# Altium PCB top.PcbDoc (part 4 of 5) (continued)
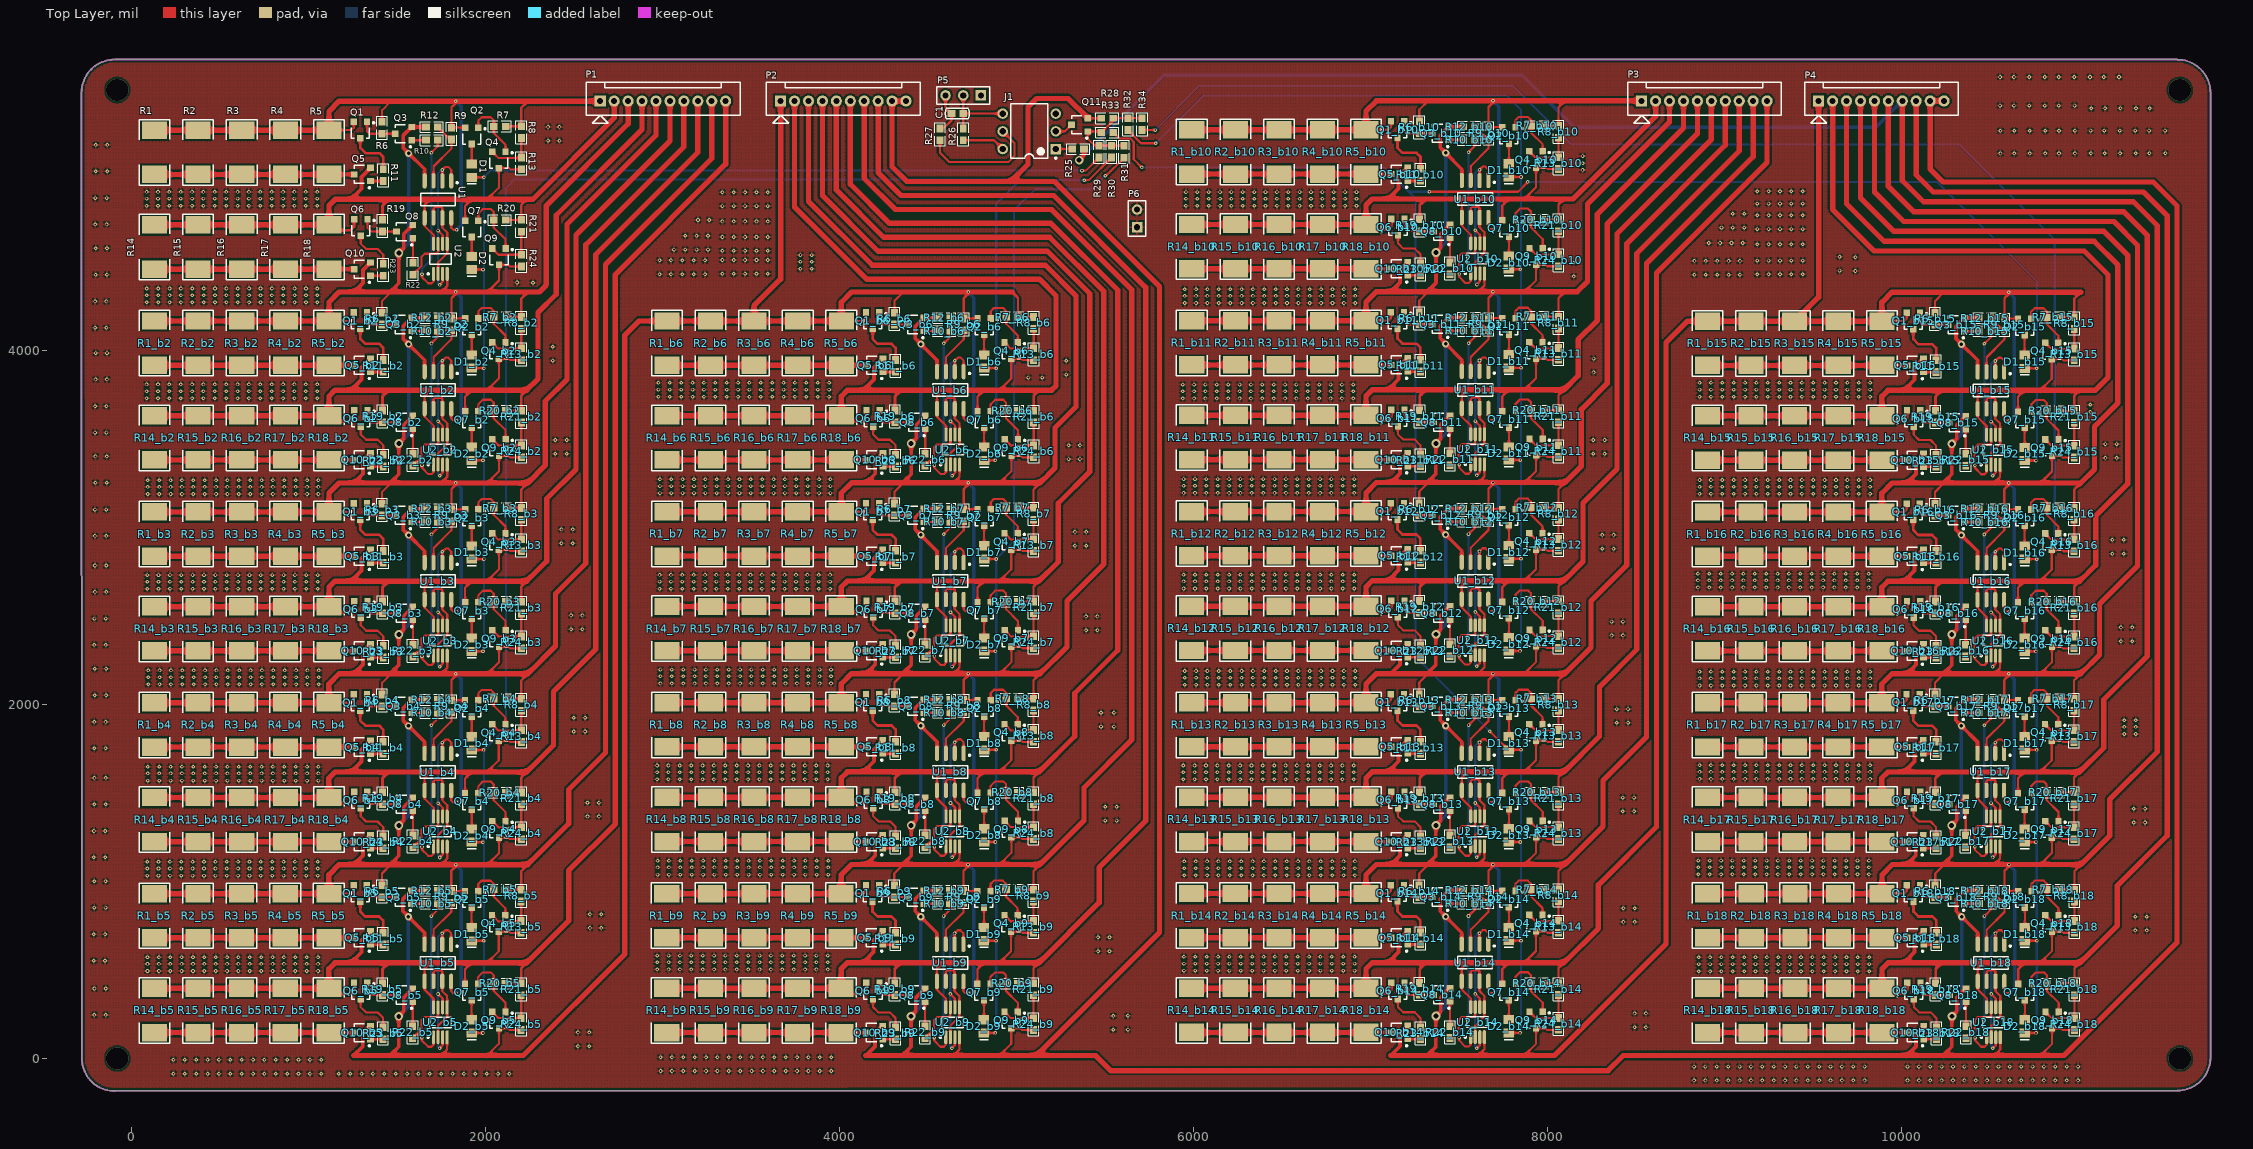
[diagram p0: Top Layer view]
## Nets (pads, with @x,y where several pads share a name; then routed paths per layer and width w, separated by ;. In a path a pad name is that pad's centre, name@x,y a point inside that pad or via, vN(x,y) a via of type N, cw(c..) or ccw(c..) an arc to the next point about the centre after c; other vN are vias at no path point) (continued)
  Top Layer w15: R18_b12.2@6976.6,2555.6 7006.6,2525.6 7099.6,2525.6 7119.2,2545.2 Q6_b12.2@7119.2,2586.86 ; R19_b12.2@7279.6,2585.06 7279.6,2664.6 7314.6,2699.6 7318.6,2699.6
  Top Layer w22: 7100.6,2699.6 7160.6,2759.6 7160.6,2826.74 Q5_b12.2@7211.86,2878
  Top Layer w30: R14_b12.2@5991.6,2555.6 R15_b12.2@6237.85,2555.6 R16_b12.2@6484.1,2555.6 R17_b12.2@6730.35,2555.6 R18_b12.2@6976.6,2555.6 6976.6,2665.6 7010.6,2699.6 7100.6,2699.6 7314.6,2699.6 ; 7318.6,2699.6 7548.6,2699.6 7782.6,2699.6 7870.6,2699.6 8094.6,2699.6 8203,2808 8203,3139.29 8394.71,3331 8394.71,4660.29 8927.7,5193.28 P3.6@8927.7,5411
IN_B12: P3.8 Q4_b13.3 Q5_b13.2 Q6_b13.2 Q7_b13.2 R13_b13.1 R14_b13.2 R15_b13.2 R16_b13.2 R17_b13.2 R18_b13.2 R19_b13.2 R20_b13.2 R21_b13.2 U1_b13.5 U2_b13.8 | length 7956.9
  Top Layer w12: 7548.87,1620.2 7517.87,1589.2 U1_b13.5@7517.87,1515.71 7517.87,1469.2 7568.49,1418.58 U2_b13.8@7568.49,1368.84 ; Q7_b13.2@7746.47,1500.46 7746.47,1583.79 7782.87,1620.2 ; 7870.87,1620.2 7936.87,1686.2 Q4_b13.3@7936.87,1796.94 7995.13,1796.94 8002.34,1789.73 R13_b13.1@8063.87,1789.73 ; R20_b13.2@7975.8,1504.66 R21_b13.2@8063.87,1504.66 8063.87,1589.2 8094.87,1620.2
  Top Layer w15: R18_b13.2@6976.87,1476.2 7006.87,1446.2 7099.87,1446.2 7119.47,1465.79 Q6_b13.2@7119.47,1507.46 ; R19_b13.2@7279.87,1505.66 7279.87,1585.2 7314.87,1620.2 7318.87,1620.2
  Top Layer w22: 7100.87,1620.2 7160.87,1680.2 7160.87,1747.34 Q5_b13.2@7212.13,1798.6
  Top Layer w30: R14_b13.2@5991.87,1476.2 R15_b13.2@6238.12,1476.2 R16_b13.2@6484.37,1476.2 R17_b13.2@6730.62,1476.2 R18_b13.2@6976.87,1476.2 6976.87,1586.2 7010.87,1620.2 7100.87,1620.2 7314.87,1620.2 ; 7318.87,1620.2 7548.87,1620.2 7782.87,1620.2 7870.87,1620.2 8094.87,1620.2 8295.68,1821 8295.68,2100.61 8506.07,2311 8506.07,4548.93 9085.18,5128.05 P3.8@9085.18,5411
IN_B13: P3.10 Q4_b14.3 Q5_b14.2 Q6_b14.2 Q7_b14.2 R13_b14.1 R14_b14.2 R15_b14.2 R16_b14.2 R17_b14.2 R18_b14.2 R19_b14.2 R20_b14.2 R21_b14.2 U1_b14.5 U2_b14.8 | length 9100.7
  Top Layer w12: 7548.6,541.74 7517.6,510.74 U1_b14.5@7517.6,437.25 7517.6,390.74 7568.21,340.13 U2_b14.8@7568.21,290.39 ; Q7_b14.2@7746.2,422 7746.2,505.34 7782.6,541.74 ; 7870.6,541.74 7936.6,607.74 Q4_b14.3@7936.6,718.48 7994.86,718.48 8002.06,711.28 R13_b14.1@8063.6,711.28 ; R20_b14.2@7975.53,426.2 R21_b14.2@8063.6,426.2 8063.6,510.74 8094.6,541.74
  Top Layer w15: R18_b14.2@6976.6,397.74 7006.6,367.74 7099.6,367.74 7119.2,387.34 Q6_b14.2@7119.2,429 ; R19_b14.2@7279.6,427.2 7279.6,506.74 7314.6,541.74 7318.6,541.74
  Top Layer w22: 7100.6,541.74 7160.6,601.74 7160.6,668.88 Q5_b14.2@7211.86,720.14
  Top Layer w30: R14_b14.2@5991.6,397.74 R15_b14.2@6237.85,397.74 R16_b14.2@6484.1,397.74 R17_b14.2@6730.35,397.74 R18_b14.2@6976.6,397.74 6976.6,507.74 7010.6,541.74 7100.6,541.74 7314.6,541.74 ; 7318.6,541.74 7548.6,541.74 7782.6,541.74 7870.6,541.74 8094.6,541.74 8289,736.14 8289,981.58 8617.42,1310 8617.42,4437.58 9242.66,5062.82 P3.10@9242.66,5411
IN_B14: P4.2 Q4_b15.3 Q5_b15.2 Q6_b15.2 Q7_b15.2 R13_b15.1 R14_b15.2 R15_b15.2 R16_b15.2 R17_b15.2 R18_b15.2 R19_b15.2 R20_b15.2 R21_b15.2 U1_b15.5 U2_b15.8 | length 6848.3
  Top Layer w12: 10463,3775.46 10432,3744.46 U1_b15.5@10432,3670.98 10432,3624.46 10482.61,3573.85 U2_b15.8@10482.61,3524.11 ; Q7_b15.2@10660.6,3655.72 10660.6,3739.06 10697,3775.46 ; 10785,3775.46 10851,3841.46 Q4_b15.3@10851,3952.2 10909.26,3952.2 10916.46,3945 R13_b15.1@10978,3945 ; R20_b15.2@10889.93,3659.93 R21_b15.2@10978,3659.93 10978,3744.46 11009,3775.46
  Top Layer w15: R18_b15.2@9891,3631.46 9921,3601.46 10014,3601.46 10033.6,3621.06 Q6_b15.2@10033.6,3662.72 ; R19_b15.2@10194,3660.93 10194,3740.46 10229,3775.46 10233,3775.46
  Top Layer w22: 10015,3775.46 10075,3835.46 10075,3902.61 Q5_b15.2@10126.26,3953.87
  Top Layer w30: R14_b15.2@8906,3631.46 R15_b15.2@9152.25,3631.46 R16_b15.2@9398.5,3631.46 R17_b15.2@9644.75,3631.46 R18_b15.2@9891,3631.46 9891,3741.46 9925,3775.46 10015,3775.46 10229,3775.46 ; P4.2@9612.74,5411 9612.74,4797.42 9847.58,4562.58 11034.58,4562.58 11168.58,4428.58 11168.58,3848 11096.04,3775.46 11009,3775.46 10785,3775.46 10697,3775.46 10463,3775.46 10233,3775.46
IN_B15: P4.4 Q4_b16.3 Q5_b16.2 Q6_b16.2 Q7_b16.2 R13_b16.1 R14_b16.2 R15_b16.2 R16_b16.2 R17_b16.2 R18_b16.2 R19_b16.2 R20_b16.2 R21_b16.2 U1_b16.5 U2_b16.8 | length 7902.6
  Top Layer w12: 10462.87,2697.2 10431.87,2666.2 U1_b16.5@10431.87,2592.71 10431.87,2546.2 10482.49,2495.58 U2_b16.8@10482.49,2445.84 ; Q7_b16.2@10660.47,2577.46 10660.47,2660.79 10696.87,2697.2 ; 10784.87,2697.2 10850.87,2763.2 Q4_b16.3@10850.87,2873.94 10909.13,2873.94 10916.34,2866.73 R13_b16.1@10977.87,2866.73 ; R20_b16.2@10889.8,2581.66 R21_b16.2@10977.87,2581.66 10977.87,2666.2 11008.87,2697.2
  Top Layer w15: R18_b16.2@9890.87,2553.2 9920.87,2523.2 10013.87,2523.2 10033.47,2542.79 Q6_b16.2@10033.47,2584.46 ; R19_b16.2@10193.87,2582.66 10193.87,2662.2 10228.87,2697.2 10232.87,2697.2
  Top Layer w22: 10014.87,2697.2 10074.87,2757.2 10074.87,2824.34 Q5_b16.2@10126.13,2875.6
  Top Layer w30: R14_b16.2@8905.87,2553.2 R15_b16.2@9152.12,2553.2 R16_b16.2@9398.37,2553.2 R17_b16.2@9644.62,2553.2 R18_b16.2@9890.87,2553.2 9890.87,2663.2 9924.87,2697.2 10014.87,2697.2 10228.87,2697.2 ; P4.4@9770.22,5411 9770.22,4862.65 9958.93,4673.93 11145.93,4673.93 11279.93,4539.93 11279.93,3247 11099,3066.07 11099,2787.32 11008.87,2697.2 10784.87,2697.2 10696.87,2697.2 10462.87,2697.2 10232.87,2697.2
IN_B16: P4.6 Q4_b17.3 Q5_b17.2 Q6_b17.2 Q7_b17.2 R13_b17.1 R14_b17.2 R15_b17.2 R16_b17.2 R17_b17.2 R18_b17.2 R19_b17.2 R20_b17.2 R21_b17.2 U1_b17.5 U2_b17.8 | length 9007.3
  Top Layer w12: 10462.67,1619.6 10431.67,1588.6 U1_b17.5@10431.67,1515.11 10431.67,1468.6 10482.28,1417.98 U2_b17.8@10482.28,1368.24 ; Q7_b17.2@10660.27,1499.86 10660.27,1583.2 10696.67,1619.6 ; 10784.67,1619.6 10850.67,1685.6 Q4_b17.3@10850.67,1796.34 10908.93,1796.34 10916.13,1789.13 R13_b17.1@10977.67,1789.13 ; R20_b17.2@10889.6,1504.06 R21_b17.2@10977.67,1504.06 10977.67,1588.6 11008.67,1619.6
  Top Layer w15: R18_b17.2@9890.67,1475.6 9920.67,1445.6 10013.67,1445.6 10033.27,1465.2 Q6_b17.2@10033.27,1506.86 ; R19_b17.2@10193.67,1505.06 10193.67,1584.6 10228.67,1619.6 10232.67,1619.6
  Top Layer w22: 10014.67,1619.6 10074.67,1679.6 10074.67,1746.74 Q5_b17.2@10125.93,1798
  Top Layer w30: R14_b17.2@8905.67,1475.6 R15_b17.2@9151.92,1475.6 R16_b17.2@9398.17,1475.6 R17_b17.2@9644.42,1475.6 R18_b17.2@9890.67,1475.6 9890.67,1585.6 9924.67,1619.6 10014.67,1619.6 10228.67,1619.6 ; P4.6@9927.7,5411 9927.7,4927.88 10070.29,4785.29 11257.29,4785.29 11391.29,4651.29 11391.29,2275 11145,2028.71 11145,1755.93 11008.67,1619.6 10784.67,1619.6 10696.67,1619.6 10462.67,1619.6 10232.67,1619.6
IN_B17: P4.8 Q4_b18.3 Q5_b18.2 Q6_b18.2 Q7_b18.2 R13_b18.1 R14_b18.2 R15_b18.2 R16_b18.2 R17_b18.2 R18_b18.2 R19_b18.2 R20_b18.2 R21_b18.2 U1_b18.5 U2_b18.8 | length 10112.3
  Top Layer w12: 10463.87,541.2 10432.87,510.2 U1_b18.5@10432.87,436.71 10432.87,390.2 10483.49,339.58 U2_b18.8@10483.49,289.84 ; Q7_b18.2@10661.47,421.46 10661.47,504.79 10697.87,541.2 ; 10785.87,541.2 10851.87,607.2 Q4_b18.3@10851.87,717.94 10910.13,717.94 10917.34,710.73 R13_b18.1@10978.87,710.73 ; R20_b18.2@10890.8,425.66 R21_b18.2@10978.87,425.66 10978.87,510.2 11009.87,541.2
  Top Layer w15: R18_b18.2@9891.87,397.2 9921.87,367.2 10014.87,367.2 10034.47,386.79 Q6_b18.2@10034.47,428.46 ; R19_b18.2@10194.87,426.66 10194.87,506.2 10229.87,541.2 10233.87,541.2
  Top Layer w22: 10015.87,541.2 10075.87,601.2 10075.87,668.34 Q5_b18.2@10127.13,719.6
  Top Layer w30: R14_b18.2@8906.87,397.2 R15_b18.2@9153.12,397.2 R16_b18.2@9399.37,397.2 R17_b18.2@9645.62,397.2 R18_b18.2@9891.87,397.2 9891.87,507.2 9925.87,541.2 10015.87,541.2 10229.87,541.2 ; P4.8@10085.18,5411 10085.18,4993.11 10181.64,4896.64 11368.64,4896.64 11502.64,4762.64 11502.64,1259 11221.64,978 11221.64,752.97 11009.87,541.2 10785.87,541.2 10697.87,541.2 10463.87,541.2 10233.87,541.2
IN_C17: P2.9 P2.10 P4.9 P4.10 Q3_b9.2 Q3_b18.2 Q8_b9.2 Q8_b18.2 Q9_b9.3 Q9_b18.3 Q10_b9.2 Q10_b18.2 Q11.2 R12_b9.1 R12_b18.1 R24_b9.1 R24_b18.1 R28.1 U1_b9.4 U1_b18.4 U2_b9.4 U2_b18.4 | length 25885.8
  Top Layer w12: 4644.87,17.2 4679.26,51.58 U2_b9.4@4679.26,120.55 ; 4905.87,17.2 4971.87,83.2 Q9_b9.3@4971.87,170.94 5024.61,170.94 5033.82,161.73 R24_b9.1@5097.87,161.73 ; Q11.2@5405.26,5313.4 5481.13,5313.4 R28.1@5481.54,5313 ; 10525.87,17.2 10560.26,51.58 U2_b18.4@10560.26,120.55 ; 10786.87,17.2 10852.87,83.2 Q9_b18.3@10852.87,170.94 10905.61,170.94 10914.82,161.73 R24_b18.1@10978.87,161.73
  Top Layer w20: 4355.87,17.2 4405.87,67.2 v2(4405.87,239.2) 4433.87,267.2 4433.87,345.34 Q8_b9.2@4485.13,396.6 ; U1_b9.4@4551.87,645.68 4551.87,710.46 v3(4460.74,801.6) 4429.74,832.6 4429.74,901.74 Q3_b9.2@4478,950 R12_b9.1@4558.87,950 ; 10236.87,17.2 10286.87,67.2 v2(10286.87,239.2) 10314.87,267.2 10314.87,345.34 Q8_b18.2@10366.13,396.6 ; U1_b18.4@10432.87,645.68 10432.87,710.46 v3(10341.74,801.6) 10310.74,832.6 10310.74,901.74 Q3_b18.2@10359,950 R12_b18.1@10439.87,950
  Top Layer w22: 4150.87,17.2 4202.87,69.2 4202.87,141.34 Q10_b9.2@4246.13,184.6 ; 10031.87,17.2 10083.87,69.2 10083.87,141.34 Q10_b18.2@10127.13,184.6
  Top Layer w30: 4150.87,17.2 4355.87,17.2 4644.87,17.2 4905.87,17.2 5114.2,17.2 ; P2.10@4377.66,5410 P2.9@4298.92,5410 4298.92,5038.72 4382.38,4955.26 4969,4955.26 ; Q11.2@5405.26,5313.4 5293.66,5425 5115,5425 5067,5377 5067,5053.26 4969,4955.26 ; P4.10@10242.66,5411 P4.9@10163.92,5411 10163.92,5025.72 10237.32,4952.32 11424.32,4952.32 11558.32,4818.32 11558.32,655.32 10920.2,17.2 10786.87,17.2 10525.87,17.2 10236.87,17.2 10031.87,17.2 8429.8,17.2 8344.61,-68 5534,-68 5448.8,17.2 5114.2,17.2 ; 4969,4955.26 5216.74,4955.26 5810.18,4361.82 5810.18,713.18 5114.2,17.2
  Bottom Layer w20: v2(4405.87,239.2) 4460.74,294.06 v3(4460.74,801.6) ; v2(10286.87,239.2) 10341.74,294.06 v3(10341.74,801.6)
NetD1_1: D1.1 Q2.3 | length 113.3
  Top Layer w12: D1.1@1924,5053.94 Q2.3@1924,5167.28
NetD1_b2_1: D1_b2.1 Q2_b2.3 | length 113.3
  Top Layer w12: D1_b2.1@1924,3975.87 Q2_b2.3@1924,4089.2
NetD1_b3_1: D1_b3.1 Q2_b3.3 | length 113.3
  Top Layer w12: D1_b3.1@1924,2896.94 Q2_b3.3@1924,3010.28
NetD1_b4_1: D1_b4.1 Q2_b4.3 | length 113.3
  Top Layer w12: D1_b4.1@1923.87,1818.6 Q2_b4.3@1923.87,1931.94
NetD1_b5_1: D1_b5.1 Q2_b5.3 | length 113.3
  Top Layer w12: D1_b5.1@1923.46,740.47 Q2_b5.3@1923.46,853.81
NetD1_b6_1: D1_b6.1 Q2_b6.3 | length 113.3
  Top Layer w12: D1_b6.1@4819,3975.87 Q2_b6.3@4819,4089.2
NetD1_b7_1: D1_b7.1 Q2_b7.3 | length 113.3
  Top Layer w12: D1_b7.1@4818.87,2897.6 Q2_b7.3@4818.87,3010.94
NetD1_b8_1: D1_b8.1 Q2_b8.3 | length 113.3
  Top Layer w12: D1_b8.1@4818.87,1819.6 Q2_b8.3@4818.87,1932.94
NetD1_b9_1: D1_b9.1 Q2_b9.3 | length 113.3
  Top Layer w12: D1_b9.1@4817.87,740.6 Q2_b9.3@4817.87,853.94
NetD1_b10_1: D1_b10.1 Q2_b10.3 | length 113.3
  Top Layer w12: D1_b10.1@7784,5055.87 Q2_b10.3@7784,5169.2
NetD1_b11_1: D1_b11.1 Q2_b11.3 | length 113.3
  Top Layer w12: D1_b11.1@7783.87,3977.6 Q2_b11.3@7783.87,4090.94
NetD1_b12_1: D1_b12.1 Q2_b12.3 | length 113.3
  Top Layer w12: D1_b12.1@7783.6,2899 Q2_b12.3@7783.6,3012.34
NetD1_b13_1: D1_b13.1 Q2_b13.3 | length 113.3
  Top Layer w12: D1_b13.1@7783.87,1819.6 Q2_b13.3@7783.87,1932.94
NetD1_b14_1: D1_b14.1 Q2_b14.3 | length 113.3
  Top Layer w12: D1_b14.1@7783.6,741.14 Q2_b14.3@7783.6,854.48
NetD1_b15_1: D1_b15.1 Q2_b15.3 | length 113.3
  Top Layer w12: D1_b15.1@10698,3974.87 Q2_b15.3@10698,4088.2
NetD1_b16_1: D1_b16.1 Q2_b16.3 | length 113.3
  Top Layer w12: D1_b16.1@10697.87,2896.6 Q2_b16.3@10697.87,3009.94
NetD1_b17_1: D1_b17.1 Q2_b17.3 | length 113.3
  Top Layer w12: D1_b17.1@10697.67,1819 Q2_b17.3@10697.67,1932.34
NetD1_b18_1: D1_b18.1 Q2_b18.3 | length 113.3
  Top Layer w12: D1_b18.1@10698.87,740.6 Q2_b18.3@10698.87,853.94
NetD2_1: D2.1 Q7.3 | length 109.3
  Top Layer w12: D2.1@1924,4532.94 Q7.3@1924,4642.28
NetD2_b2_1: D2_b2.1 Q7_b2.3 | length 109.3
  Top Layer w12: D2_b2.1@1924,3454.87 Q7_b2.3@1924,3564.2
NetD2_b3_1: D2_b3.1 Q7_b3.3 | length 109.3
  Top Layer w12: D2_b3.1@1924,2375.94 Q7_b3.3@1924,2485.28
NetD2_b4_1: D2_b4.1 Q7_b4.3 | length 109.3
  Top Layer w12: D2_b4.1@1923.87,1297.6 Q7_b4.3@1923.87,1406.94
NetD2_b5_1: D2_b5.1 Q7_b5.3 | length 109.3
  Top Layer w12: D2_b5.1@1923.46,219.47 Q7_b5.3@1923.46,328.81
NetD2_b6_1: D2_b6.1 Q7_b6.3 | length 109.3
  Top Layer w12: D2_b6.1@4819,3454.87 Q7_b6.3@4819,3564.2
NetD2_b7_1: D2_b7.1 Q7_b7.3 | length 109.3
  Top Layer w12: D2_b7.1@4818.87,2376.6 Q7_b7.3@4818.87,2485.94
NetD2_b8_1: D2_b8.1 Q7_b8.3 | length 109.3
  Top Layer w12: D2_b8.1@4818.87,1298.6 Q7_b8.3@4818.87,1407.94
NetD2_b9_1: D2_b9.1 Q7_b9.3 | length 109.3
  Top Layer w12: D2_b9.1@4817.87,219.6 Q7_b9.3@4817.87,328.94
NetD2_b10_1: D2_b10.1 Q7_b10.3 | length 109.3
  Top Layer w12: D2_b10.1@7784,4534.87 Q7_b10.3@7784,4644.2
NetD2_b11_1: D2_b11.1 Q7_b11.3 | length 109.3
  Top Layer w12: D2_b11.1@7783.87,3456.6 Q7_b11.3@7783.87,3565.94
NetD2_b12_1: D2_b12.1 Q7_b12.3 | length 109.3
  Top Layer w12: D2_b12.1@7783.6,2378 Q7_b12.3@7783.6,2487.34
NetD2_b13_1: D2_b13.1 Q7_b13.3 | length 109.3
  Top Layer w12: D2_b13.1@7783.87,1298.6 Q7_b13.3@7783.87,1407.94
NetD2_b14_1: D2_b14.1 Q7_b14.3 | length 109.3
  Top Layer w12: D2_b14.1@7783.6,220.14 Q7_b14.3@7783.6,329.48
NetD2_b15_1: D2_b15.1 Q7_b15.3 | length 109.3
  Top Layer w12: D2_b15.1@10698,3453.87 Q7_b15.3@10698,3563.2
NetD2_b16_1: D2_b16.1 Q7_b16.3 | length 109.3
  Top Layer w12: D2_b16.1@10697.87,2375.6 Q7_b16.3@10697.87,2484.94
NetD2_b17_1: D2_b17.1 Q7_b17.3 | length 109.3
  Top Layer w12: D2_b17.1@10697.67,1298 Q7_b17.3@10697.67,1407.34
NetD2_b18_1: D2_b18.1 Q7_b18.3 | length 109.3
  Top Layer w12: D2_b18.1@10698.87,219.6 Q7_b18.3@10698.87,328.94
NetJ1_1: J1.1 R25.2 | length 92.5
  Top Layer w12: J1.1@5224,5139 R25.2@5316.54,5139
NetJ1_2: J1.2 Q11.3 | length 104.1
  Top Layer w12: J1.2@5224,5239 5275.74,5239 Q11.3@5312.74,5276
NetJ1_5: J1.5 R27.1 | length 695.2
  Top Layer w12: R27.1@4569,5188.54 4569,5119 4623,5065 4955,5065 4990,5100 4990,5173 J1.5@4924,5239 J1.5@4923,5240
NetJ1_6: J1.6 R26.1 | length 243.5
  Top Layer w12: R26.1@4701,5188.54 4874.46,5188.54 J1.6@4924,5139
NetQ1_1: Q1.1 Q3.3 R6.1 | length 219.4
  Top Layer w12: Q1.1@1331.94,5293.26 1331.94,5239.6 1346,5225.54 R6.1@1417.54,5225.54 1491.08,5225.54 1491.14,5225.47 Q3.3@1491.61,5225.94
NetQ1_3: Q1.3 R11.2 | length 275.6
  Top Layer w15: Q1.3@1294.54,5200.74 1294.54,5144 1322.54,5116 1401.54,5116 1424,5093.54 R11.2@1424,5025
NetQ1_b2_1: Q1_b2.1 Q3_b2.3 R6_b2.1 | length 219.4
  Top Layer w12: Q1_b2.1@1331.94,4215.19 1331.94,4161.53 1346,4147.46 R6_b2.1@1417.54,4147.46 1491.08,4147.46 1491.14,4147.4 Q3_b2.3@1491.61,4147.87
NetQ1_b2_3: Q1_b2.3 R11_b2.2 | length 275.6
  Top Layer w15: Q1_b2.3@1294.54,4122.67 1294.54,4065.93 1322.54,4037.93 1401.54,4037.93 1424,4015.46 R11_b2.2@1424,3946.93
NetQ1_b3_1: Q1_b3.1 Q3_b3.3 R6_b3.1 | length 219.4
  Top Layer w12: Q1_b3.1@1331.94,3136.26 1331.94,3082.6 1346,3068.54 R6_b3.1@1417.54,3068.54 1491.08,3068.54 1491.14,3068.47 Q3_b3.3@1491.61,3068.94
NetQ1_b3_3: Q1_b3.3 R11_b3.2 | length 275.6
  Top Layer w15: Q1_b3.3@1294.54,3043.74 1294.54,2987 1322.54,2959 1401.54,2959 1424,2936.54 R11_b3.2@1424,2868
NetQ1_b4_1: Q1_b4.1 Q3_b4.3 R6_b4.1 | length 219.4
  Top Layer w12: Q1_b4.1@1331.81,2057.92 1331.81,2004.26 1345.87,1990.2 R6_b4.1@1417.41,1990.2 1490.95,1990.2 1491.02,1990.13 Q3_b4.3@1491.48,1990.6
NetQ1_b4_3: Q1_b4.3 R11_b4.2 | length 275.6
  Top Layer w15: Q1_b4.3@1294.41,1965.4 1294.41,1908.66 1322.41,1880.66 1401.41,1880.66 1423.87,1858.2 R11_b4.2@1423.87,1789.66
NetQ1_b5_1: Q1_b5.1 Q3_b5.3 R6_b5.1 | length 219.4
  Top Layer w12: Q1_b5.1@1331.4,979.8 1331.4,926.13 1345.46,912.07 R6_b5.1@1417,912.07 1490.54,912.07 1490.61,912.01 Q3_b5.3@1491.07,912.47
NetQ1_b5_3: Q1_b5.3 R11_b5.2 | length 275.6
  Top Layer w15: Q1_b5.3@1294,887.28 1294,830.54 1322,802.54 1401,802.54 1423.46,780.07 R11_b5.2@1423.46,711.54
NetQ1_b6_1: Q1_b6.1 Q3_b6.3 R6_b6.1 | length 219.4
  Top Layer w12: Q1_b6.1@4226.94,4215.19 4226.94,4161.53 4241,4147.46 R6_b6.1@4312.54,4147.46 4386.08,4147.46 4386.14,4147.4 Q3_b6.3@4386.61,4147.87
NetQ1_b6_3: Q1_b6.3 R11_b6.2 | length 275.6
  Top Layer w15: Q1_b6.3@4189.54,4122.67 4189.54,4065.93 4217.54,4037.93 4296.54,4037.93 4319,4015.46 R11_b6.2@4319,3946.93
NetQ1_b7_1: Q1_b7.1 Q3_b7.3 R6_b7.1 | length 219.4
  Top Layer w12: Q1_b7.1@4226.81,3136.92 4226.81,3083.26 4240.87,3069.2 R6_b7.1@4312.41,3069.2 4385.95,3069.2 4386.02,3069.13 Q3_b7.3@4386.48,3069.6
NetQ1_b7_3: Q1_b7.3 R11_b7.2 | length 275.6
  Top Layer w15: Q1_b7.3@4189.41,3044.4 4189.41,2987.66 4217.41,2959.66 4296.41,2959.66 4318.87,2937.2 R11_b7.2@4318.87,2868.66
NetQ1_b8_1: Q1_b8.1 Q3_b8.3 R6_b8.1 | length 219.4
  Top Layer w12: Q1_b8.1@4226.81,2058.92 4226.81,2005.26 4240.87,1991.2 R6_b8.1@4312.41,1991.2 4385.95,1991.2 4386.02,1991.13 Q3_b8.3@4386.48,1991.6
NetQ1_b8_3: Q1_b8.3 R11_b8.2 | length 275.6
  Top Layer w15: Q1_b8.3@4189.41,1966.4 4189.41,1909.66 4217.41,1881.66 4296.41,1881.66 4318.87,1859.2 R11_b8.2@4318.87,1790.66
NetQ1_b9_1: Q1_b9.1 Q3_b9.3 R6_b9.1 | length 219.4
  Top Layer w12: Q1_b9.1@4225.81,979.92 4225.81,926.26 4239.87,912.2 R6_b9.1@4311.41,912.2 4384.95,912.2 4385.02,912.13 Q3_b9.3@4385.48,912.6
NetQ1_b9_3: Q1_b9.3 R11_b9.2 | length 275.6
  Top Layer w15: Q1_b9.3@4188.41,887.4 4188.41,830.66 4216.41,802.66 4295.41,802.66 4317.87,780.2 R11_b9.2@4317.87,711.66
NetQ1_b10_1: Q1_b10.1 Q3_b10.3 R6_b10.1 | length 219.4
  Top Layer w12: Q1_b10.1@7191.94,5295.19 7191.94,5241.53 7206,5227.46 R6_b10.1@7277.54,5227.46 7351.08,5227.46 7351.14,5227.4 Q3_b10.3@7351.61,5227.87
NetQ1_b10_3: Q1_b10.3 R11_b10.2 | length 275.6
  Top Layer w15: Q1_b10.3@7154.54,5202.67 7154.54,5145.93 7182.54,5117.93 7261.54,5117.93 7284,5095.46 R11_b10.2@7284,5026.93
NetQ1_b11_1: Q1_b11.1 Q3_b11.3 R6_b11.1 | length 219.4
  Top Layer w12: Q1_b11.1@7191.81,4216.92 7191.81,4163.26 7205.87,4149.2 R6_b11.1@7277.41,4149.2 7350.95,4149.2 7351.02,4149.13 Q3_b11.3@7351.48,4149.6
NetQ1_b11_3: Q1_b11.3 R11_b11.2 | length 275.6
  Top Layer w15: Q1_b11.3@7154.41,4124.4 7154.41,4067.66 7182.41,4039.66 7261.41,4039.66 7283.87,4017.2 R11_b11.2@7283.87,3948.66
NetQ1_b12_1: Q1_b12.1 Q3_b12.3 R6_b12.1 | length 219.4
  Top Layer w12: Q1_b12.1@7191.54,3138.32 7191.54,3084.66 7205.6,3070.6 R6_b12.1@7277.13,3070.6 7350.68,3070.6 7350.74,3070.54 Q3_b12.3@7351.2,3071
NetQ1_b12_3: Q1_b12.3 R11_b12.2 | length 275.6
  Top Layer w15: Q1_b12.3@7154.13,3045.8 7154.13,2989.06 7182.13,2961.06 7261.13,2961.06 7283.6,2938.6 R11_b12.2@7283.6,2870.06
NetQ1_b13_1: Q1_b13.1 Q3_b13.3 R6_b13.1 | length 219.4
  Top Layer w12: Q1_b13.1@7191.81,2058.92 7191.81,2005.26 7205.87,1991.2 R6_b13.1@7277.41,1991.2 7350.95,1991.2 7351.02,1991.13 Q3_b13.3@7351.48,1991.6
NetQ1_b13_3: Q1_b13.3 R11_b13.2 | length 275.6
  Top Layer w15: Q1_b13.3@7154.41,1966.4 7154.41,1909.66 7182.41,1881.66 7261.41,1881.66 7283.87,1859.2 R11_b13.2@7283.87,1790.66
NetQ1_b14_1: Q1_b14.1 Q3_b14.3 R6_b14.1 | length 219.4
  Top Layer w12: Q1_b14.1@7191.54,980.46 7191.54,926.8 7205.6,912.74 R6_b14.1@7277.13,912.74 7350.68,912.74 7350.74,912.68 Q3_b14.3@7351.2,913.14
NetQ1_b14_3: Q1_b14.3 R11_b14.2 | length 275.6
  Top Layer w15: Q1_b14.3@7154.13,887.94 7154.13,831.2 7182.13,803.2 7261.13,803.2 7283.6,780.74 R11_b14.2@7283.6,712.2
NetQ1_b15_1: Q1_b15.1 Q3_b15.3 R6_b15.1 | length 219.4
  Top Layer w12: Q1_b15.1@10105.94,4214.19 10105.94,4160.53 10120,4146.46 R6_b15.1@10191.54,4146.46 10265.08,4146.46 10265.14,4146.4 Q3_b15.3@10265.61,4146.87
NetQ1_b15_3: Q1_b15.3 R11_b15.2 | length 275.6
  Top Layer w15: Q1_b15.3@10068.54,4121.67 10068.54,4064.93 10096.54,4036.93 10175.54,4036.93 10198,4014.46 R11_b15.2@10198,3945.93
NetQ1_b16_1: Q1_b16.1 Q3_b16.3 R6_b16.1 | length 219.4
  Top Layer w12: Q1_b16.1@10105.81,3135.92 10105.81,3082.26 10119.87,3068.2 R6_b16.1@10191.41,3068.2 10264.95,3068.2 10265.02,3068.13 Q3_b16.3@10265.48,3068.6
NetQ1_b16_3: Q1_b16.3 R11_b16.2 | length 275.6
  Top Layer w15: Q1_b16.3@10068.41,3043.4 10068.41,2986.66 10096.41,2958.66 10175.41,2958.66 10197.87,2936.2 R11_b16.2@10197.87,2867.66
NetQ1_b17_1: Q1_b17.1 Q3_b17.3 R6_b17.1 | length 219.4
  Top Layer w12: Q1_b17.1@10105.61,2058.32 10105.61,2004.66 10119.67,1990.6 R6_b17.1@10191.2,1990.6 10264.75,1990.6 10264.81,1990.54 Q3_b17.3@10265.28,1991
NetQ1_b17_3: Q1_b17.3 R11_b17.2 | length 275.6
  Top Layer w15: Q1_b17.3@10068.2,1965.8 10068.2,1909.06 10096.2,1881.06 10175.2,1881.06 10197.67,1858.6 R11_b17.2@10197.67,1790.06
NetQ1_b18_1: Q1_b18.1 Q3_b18.3 R6_b18.1 | length 219.4
  Top Layer w12: Q1_b18.1@10106.81,979.92 10106.81,926.26 10120.87,912.2 R6_b18.1@10192.41,912.2 10265.95,912.2 10266.02,912.13 Q3_b18.3@10266.48,912.6
NetQ1_b18_3: Q1_b18.3 R11_b18.2 | length 275.6
  Top Layer w15: Q1_b18.3@10069.41,887.4 10069.41,830.66 10097.41,802.66 10176.41,802.66 10198.87,780.2 R11_b18.2@10198.87,711.66
NetQ2_1: Q2.1 Q4.1 R7.1 | length 346.7
  Top Layer w12: Q2.1@1961.4,5259.8 1961.4,5299.94 1980,5318.54 2031,5318.54 2048.54,5301 R7.1@2048.54,5267.54 2048.54,5229.2 2114.4,5163.33 Q4.1@2114.4,5123.8
NetQ2_b2_1: Q2_b2.1 Q4_b2.1 R7_b2.1 | length 346.7
  Top Layer w12: Q2_b2.1@1961.4,4181.72 1961.4,4221.87 1980,4240.46 2031,4240.46 2048.54,4222.93 R7_b2.1@2048.54,4189.46 2048.54,4151.13 2114.4,4085.26 Q4_b2.1@2114.4,4045.72
NetQ2_b3_1: Q2_b3.1 Q4_b3.1 R7_b3.1 | length 346.7
  Top Layer w12: Q2_b3.1@1961.4,3102.8 1961.4,3142.94 1980,3161.54 2031,3161.54 2048.54,3144 R7_b3.1@2048.54,3110.54 2048.54,3072.2 2114.4,3006.33 Q4_b3.1@2114.4,2966.8
NetQ2_b4_1: Q2_b4.1 Q4_b4.1 R7_b4.1 | length 346.7
  Top Layer w12: Q2_b4.1@1961.28,2024.46 1961.28,2064.6 1979.87,2083.2 2030.87,2083.2 2048.41,2065.66 R7_b4.1@2048.41,2032.2 2048.41,1993.86 2114.28,1927.99 Q4_b4.1@2114.28,1888.46
NetQ2_b5_1: Q2_b5.1 Q4_b5.1 R7_b5.1 | length 346.7
  Top Layer w12: Q2_b5.1@1960.87,946.33 1960.87,986.47 1979.46,1005.07 2030.46,1005.07 2048,987.54 R7_b5.1@2048,954.07 2048,915.73 2113.87,849.87 Q4_b5.1@2113.87,810.33
NetQ2_b6_1: Q2_b6.1 Q4_b6.1 R7_b6.1 | length 346.7
  Top Layer w12: Q2_b6.1@4856.4,4181.72 4856.4,4221.87 4875,4240.46 4926,4240.46 4943.54,4222.93 R7_b6.1@4943.54,4189.46 4943.54,4151.13 5009.4,4085.26 Q4_b6.1@5009.4,4045.72
NetQ2_b7_1: Q2_b7.1 Q4_b7.1 R7_b7.1 | length 346.7
  Top Layer w12: Q2_b7.1@4856.28,3103.46 4856.28,3143.6 4874.87,3162.2 4925.87,3162.2 4943.41,3144.66 R7_b7.1@4943.41,3111.2 4943.41,3072.86 5009.28,3006.99 Q4_b7.1@5009.28,2967.46
NetQ2_b8_1: Q2_b8.1 Q4_b8.1 R7_b8.1 | length 346.7
  Top Layer w12: Q2_b8.1@4856.28,2025.46 4856.28,2065.6 4874.87,2084.2 4925.87,2084.2 4943.41,2066.66 R7_b8.1@4943.41,2033.2 4943.41,1994.86 5009.28,1928.99 Q4_b8.1@5009.28,1889.46
NetQ2_b9_1: Q2_b9.1 Q4_b9.1 R7_b9.1 | length 346.7
  Top Layer w12: Q2_b9.1@4855.28,946.46 4855.28,986.6 4873.87,1005.2 4924.87,1005.2 4942.41,987.66 R7_b9.1@4942.41,954.2 4942.41,915.86 5008.28,849.99 Q4_b9.1@5008.28,810.46
NetQ2_b10_1: Q2_b10.1 Q4_b10.1 R7_b10.1 | length 346.7
  Top Layer w12: Q2_b10.1@7821.4,5261.72 7821.4,5301.87 7840,5320.46 7891,5320.46 7908.54,5302.93 R7_b10.1@7908.54,5269.46 7908.54,5231.13 7974.4,5165.26 Q4_b10.1@7974.4,5125.72
NetQ2_b11_1: Q2_b11.1 Q4_b11.1 R7_b11.1 | length 346.7
  Top Layer w12: Q2_b11.1@7821.28,4183.46 7821.28,4223.6 7839.87,4242.2 7890.87,4242.2 7908.41,4224.66 R7_b11.1@7908.41,4191.2 7908.41,4152.86 7974.28,4086.99 Q4_b11.1@7974.28,4047.46
NetQ2_b12_1: Q2_b12.1 Q4_b12.1 R7_b12.1 | length 346.7
  Top Layer w12: Q2_b12.1@7821,3104.86 7821,3145 7839.6,3163.6 7890.6,3163.6 7908.13,3146.06 R7_b12.1@7908.13,3112.6 7908.13,3074.26 7974,3008.39 Q4_b12.1@7974,2968.86
NetQ2_b13_1: Q2_b13.1 Q4_b13.1 R7_b13.1 | length 346.7
  Top Layer w12: Q2_b13.1@7821.28,2025.46 7821.28,2065.6 7839.87,2084.2 7890.87,2084.2 7908.41,2066.66 R7_b13.1@7908.41,2033.2 7908.41,1994.86 7974.28,1928.99 Q4_b13.1@7974.28,1889.46
NetQ2_b14_1: Q2_b14.1 Q4_b14.1 R7_b14.1 | length 346.7
  Top Layer w12: Q2_b14.1@7821,947 7821,987.14 7839.6,1005.74 7890.6,1005.74 7908.13,988.2 R7_b14.1@7908.13,954.74 7908.13,916.4 7974,850.53 Q4_b14.1@7974,811
NetQ2_b15_1: Q2_b15.1 Q4_b15.1 R7_b15.1 | length 346.7
  Top Layer w12: Q2_b15.1@10735.4,4180.72 10735.4,4220.87 10754,4239.46 10805,4239.46 10822.54,4221.93 R7_b15.1@10822.54,4188.46 10822.54,4150.13 10888.4,4084.26 Q4_b15.1@10888.4,4044.72
NetQ2_b16_1: Q2_b16.1 Q4_b16.1 R7_b16.1 | length 346.7
  Top Layer w12: Q2_b16.1@10735.28,3102.46 10735.28,3142.6 10753.87,3161.2 10804.87,3161.2 10822.41,3143.66 R7_b16.1@10822.41,3110.2 10822.41,3071.86 10888.28,3005.99 Q4_b16.1@10888.28,2966.46
NetQ2_b17_1: Q2_b17.1 Q4_b17.1 R7_b17.1 | length 346.7
  Top Layer w12: Q2_b17.1@10735.07,2024.86 10735.07,2065 10753.67,2083.6 10804.67,2083.6 10822.2,2066.06 R7_b17.1@10822.2,2032.6 10822.2,1994.26 10888.07,1928.39 Q4_b17.1@10888.07,1888.86
NetQ2_b18_1: Q2_b18.1 Q4_b18.1 R7_b18.1 | length 346.7
  Top Layer w12: Q2_b18.1@10736.28,946.46 10736.28,986.6 10754.87,1005.2 10805.87,1005.2 10823.41,987.66 R7_b18.1@10823.41,954.2 10823.41,915.86 10889.28,849.99 Q4_b18.1@10889.28,810.46
NetQ3_1: Q3.1 R10.1 | length 80.9
  Top Layer w12: Q3.1@1584.13,5188.54 R10.1@1665,5188.54
NetQ3_b2_1: Q3_b2.1 R10_b2.1 | length 80.9
  Top Layer w12: Q3_b2.1@1584.13,4110.46 R10_b2.1@1665,4110.46
NetQ3_b3_1: Q3_b3.1 R10_b3.1 | length 80.9
  Top Layer w12: Q3_b3.1@1584.13,3031.54 R10_b3.1@1665,3031.54
NetQ3_b4_1: Q3_b4.1 R10_b4.1 | length 80.9
  Top Layer w12: Q3_b4.1@1584,1953.2 R10_b4.1@1664.87,1953.2
NetQ3_b5_1: Q3_b5.1 R10_b5.1 | length 80.9
  Top Layer w12: Q3_b5.1@1583.59,875.07 R10_b5.1@1664.46,875.07
NetQ3_b6_1: Q3_b6.1 R10_b6.1 | length 80.9
  Top Layer w12: Q3_b6.1@4479.13,4110.46 R10_b6.1@4560,4110.46
NetQ3_b7_1: Q3_b7.1 R10_b7.1 | length 80.9
  Top Layer w12: Q3_b7.1@4479,3032.2 R10_b7.1@4559.87,3032.2